# Altium PCB MiniPC.PcbDoc (part 17 of 23) (continued)
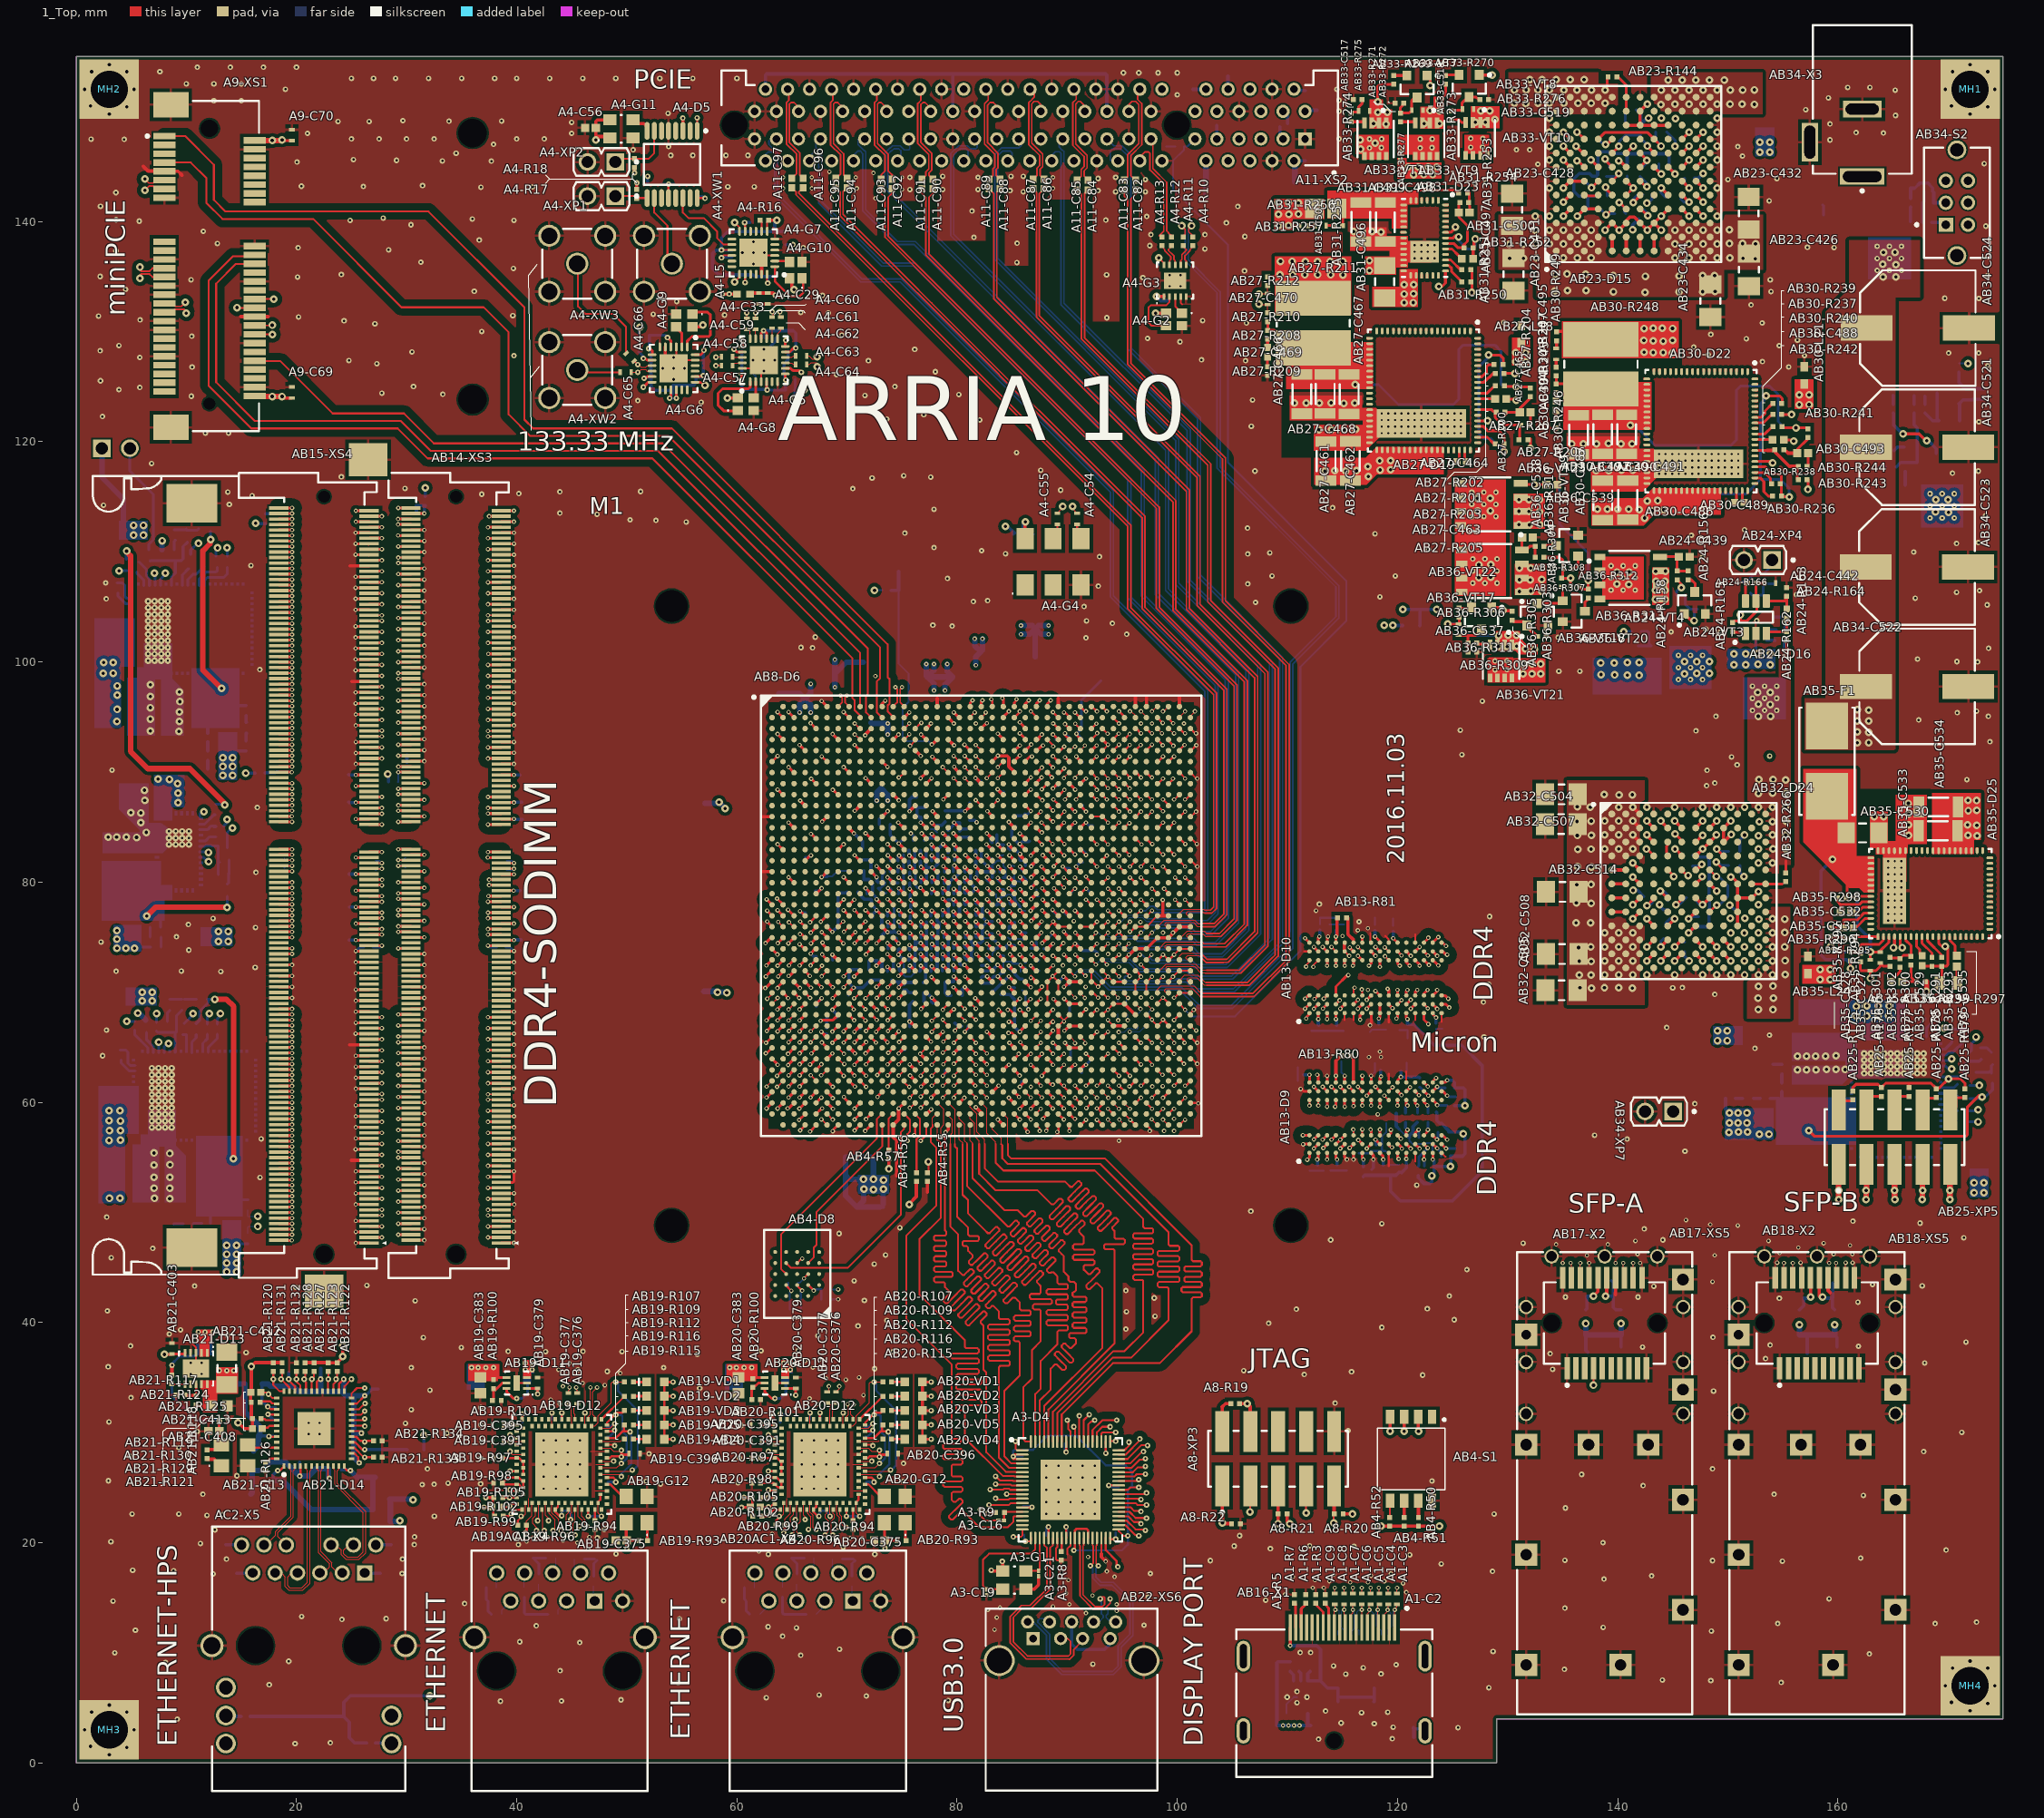
[diagram p0: 1_Top view]
## Nets (pads, with @x,y where several pads share a name; then routed paths per layer and width w, separated by ;. In a path a pad name is that pad's centre, name@x,y a point inside that pad or via, vN(x,y) a via of type N, cw(c..) or ccw(c..) an arc to the next point about the centre after c; other vN are vias at no path point) (continued)
  1_Top w0.2: AB19-D11.7@40,34.5 AB19-D11.2@40.925,34.5 ; AB20-D11.7@63.45,34.5 AB20-D11.2@64.375,34.5 ; AB4-D8.B3@65.475,43.4 65.475,43.325 65.9,42.9 v1(65.925,42.9) ; v1(83.1,96.6) 83.194,96.506 AB8-D6.A21@83.194,95.939 ; AB8-D6.B23@85.194,94.939 85.7,95.445 v1(85.7,95.5) ; v1(86.7,95.5) 87.194,95.006 AB8-D6.B25@87.194,94.939 ; v1(87.675,85.4) 88.136,84.939 AB8-D6.M26@88.194,84.939 ; v1(87.7,88.425) 88.194,88.919 AB8-D6.H26@88.194,88.939 ; AB8-D6.AM26@88.194,64.939 88.7,64.433 v1(88.7,64.4) ; AB8-D6.AF26@88.194,70.939 88.694,71.439 88.7,71.445 v1@88.692,71.453 ; AB8-D6.AE26@88.194,71.939 88.7,72.445 v1(88.72,72.425) ; AB8-D6.P26@88.194,82.939 88.194,82.931 v1(88.7,82.425) ; AB8-D6.N26@88.194,83.939 88.675,83.458 v1(88.675,83.45) ; AB8-D6.D26@88.194,92.939 88.725,92.408 v1(88.725,92.325) ; v1(88.7,91.425) 88.708,91.425 AB8-D6.F27@89.194,90.939 ; v1(88.7,95.433) AB8-D6.B27@89.194,94.939 ; v1(88.725,94.4) 89.186,93.939 AB8-D6.C27@89.194,93.939 ; v1(88.75,87.5) 89.194,87.056 AB8-D6.K27@89.194,86.939 ; v1(88.775,81.425) 89.194,81.844 AB8-D6.R27@89.194,81.939 ; v1(89.1,57.3) 89.194,57.394 AB8-D6.AW27@89.194,57.939 ; AB8-D6.E27@89.111,91.939 AB8-D6.E27@89.194,91.939 89.364,91.939 v1(89.725,92.3) ; AB8-D6.AT27@89.194,60.939 89.194,60.906 v1(89.7,60.4) ; AB8-D6.AR27@89.194,61.939 89.194,61.906 89.6,61.5 v1(89.7,61.5) 89.7,61.4 90.161,60.939 AB8-D6.AT28@90.194,60.939 ; AB8-D6.AP27@89.194,62.939 89.239,62.939 v1(89.7,63.4) ; AB8-D6.AN27@89.194,63.939 89.665,64.41 89.675,64.4 v1(89.7,64.4) ; AB8-D6.AJ27@89.194,67.939 v1@89.7,67.433 ; AB8-D6.AC27@89.194,73.939 89.194,73.994 v1(89.65,74.45) ; AB8-D6.U27@89.194,79.939 89.261,79.939 v1(89.7,79.5) ; AB8-D6.P27@89.194,82.939 89.708,82.425 v1(89.725,82.425) ; AB8-D6.N27@89.194,83.939 89.261,83.939 v1(89.75,83.45) ; AB8-D6.L27@89.194,85.939 89.289,85.939 v1(89.75,86.4) ; AB8-D6.J27@89.194,87.939 89.314,87.939 v1(89.75,88.375) ; AB8-D6.G27@89.194,89.939 89.339,89.939 v1(89.725,90.325) ; v1(89.7,95.4) 89.8,95.4 90.194,95.006 AB8-D6.B28@90.194,94.939 ; v1(89.8,94.35) 89.8,94.333 AB8-D6.C28@90.194,93.939 ; AB8-D6.AJ28@90.194,67.894 AB8-D6.AJ28@90.194,67.939 ; AB8-D6.AC28@90.194,73.939 90.239,73.939 v1(90.7,74.4) ; v1(90.7,60.4) 91.161,59.939 AB8-D6.AU29@91.194,59.939 ; v1(90.7,61.5) 90.7,61.433 AB8-D6.AT29@91.194,60.939 ; v1@90.7,95.4 91.161,94.939 AB8-D6.B29@91.194,94.939 ; v1(90.73,94.38) 90.73,94.37 91.161,93.939 AB8-D6.C29@91.194,93.939 ; AB8-D6.AW29@91.194,57.939 91.239,57.939 v1(91.7,58.4) ; AB8-D6.AJ29@91.194,67.939 v1(91.7,68.445) ; AB8-D6.A29@91.194,95.939 91.633,95.5 v1(91.7,95.5) ; v1(91.7,61.5) 91.755,61.5 AB8-D6.AR30@92.194,61.939 ; v1(91.7,64.41) 91.723,64.41 AB8-D6.AN30@92.194,63.939 ; v1(91.7,78.4) 91.733,78.4 AB8-D6.W30@92.194,77.939 ; v1(91.7,80.5) 91.7,80.433 AB8-D6.U30@92.194,79.939 ; v1(91.735,59.48) AB8-D6.AU30@92.194,59.939 ; AB8-D6.AL30@92.194,65.939 92.239,65.939 v1(92.7,66.4) ; AB8-D6.AJ30@92.194,67.939 92.655,68.4 v1(92.7,68.4) ; AB8-D6.AG30@92.194,69.939 92.361,69.939 v1(92.8,69.5) ; AB8-D6.AF30@92.194,70.939 92.361,70.939 v1(92.8,70.5) ; AB8-D6.AC30@92.194,73.939 92.239,73.939 v1(92.7,74.4) ; AB8-D6.AA30@92.194,75.939 92.239,75.939 v1(92.7,76.4) ; AB8-D6.R30@92.194,81.939 92.7,81.433 v1(92.7,81.4) ; AB8-D6.N30@92.194,83.939 92.7,83.433 v1(92.7,83.425) ; AB8-D6.J30@92.194,87.939 92.7,87.433 v1(92.7,87.5) ; AB8-D6.H30@92.194,88.939 92.226,88.939 92.68,88.485 v1(92.68,88.379) ; AB8-D6.G30@92.194,89.939 92.7,89.433 v1(92.7,89.4) ; AB8-D6.F30@92.194,90.939 92.655,91.4 v1(92.675,91.4) ; AB8-D6.D30@92.194,92.939 92.725,93.47 v1(92.725,93.525) ; AB8-D6.C30@92.194,93.939 92.63,94.375 v1(92.65,94.375) ; AB8-D6.A30@92.194,95.939 92.261,95.939 v1(92.7,95.5) ; v1(92.7,58.4) 92.733,58.4 AB8-D6.AW31@93.194,57.939 ; v1(92.7,61.5) 92.755,61.5 AB8-D6.AR31@93.194,61.939 ; v1(92.7,78.4) 92.733,78.4 AB8-D6.W31@93.194,77.939 ; AB8-D6.AV31@93.194,58.939 93.194,59.006 92.75,59.45 v1(92.69,59.45) 92.85,59.45 93.194,59.794 AB8-D6.AU31@93.194,59.939 ; AB8-D6.AN31@93.194,63.939 93.229,63.939 v1(93.7,64.41) ; AB8-D6.AL31@93.194,65.939 93.655,66.4 v1(93.7,66.4) ; AB8-D6.AJ31@93.194,67.939 v1@93.655,68.4 ; AB8-D6.AG31@93.194,69.939 93.633,69.5 v1(93.7,69.5) ; AB8-D6.AF31@93.194,70.939 93.655,71.4 v1(93.7,71.4) ; AB8-D6.AC31@93.194,73.939 93.239,73.939 v1(93.7,74.4) ; AB8-D6.AA31@93.194,75.939 93.655,76.4 v1(93.7,76.4) ; AB8-D6.U31@93.194,79.939 93.239,79.939 v1(93.7,80.4) ; AB8-D6.R31@93.194,81.939 93.194,81.994 v1(93.6,82.4) ; AB8-D6.N31@93.194,83.939 93.194,83.931 v1(93.7,83.425) ; AB8-D6.L31@93.194,85.939 93.7,85.433 v1(93.7,85.4) ; AB8-D6.J31@93.194,87.939 93.194,87.906 v1(93.6,87.5) ; AB8-D6.H31@93.194,88.939 93.286,88.939 v1(93.7,88.525) ; AB8-D6.G31@93.194,89.939 93.7,89.433 v1(93.7,89.4) ; AB8-D6.F31@93.194,90.939 93.655,91.4 v1(93.7,91.4) ; AB8-D6.E31@93.194,91.939 v1@93.7,92.445 ; AB8-D6.C31@93.194,93.939 93.658,93.475 v1(93.675,93.475) ; AB8-D6.A31@93.194,95.939 93.194,95.906 v1(93.6,95.5) ; v1(93.7,59.4) 94.161,58.939 AB8-D6.AV32@94.194,58.939 ; v1(93.7,61.5) 94.194,61.006 AB8-D6.AT32@94.194,60.939 ; v1(93.7,67.465) 93.7,67.433 AB8-D6.AK32@94.194,66.939 ; v1(93.7,77.4) 93.733,77.4 AB8-D6.Y32@94.194,76.939 ; v1(93.7,79.4) 93.733,79.4 AB8-D6.V32@94.194,78.939 ; v1(93.7,81.4) 93.733,81.4 AB8-D6.T32@94.194,80.939 ; AB8-D6.AP32@94.194,62.939 94.7,62.433 v1(94.7,62.4) ; AB8-D6.AM32@94.194,64.939 v1(94.733,64.4) ; AB8-D6.AD32@94.194,72.939 94.655,73.4 v1(94.7,73.4) ; AB8-D6.P32@94.194,82.939 94.194,82.906 v1(94.7,82.4) ; AB8-D6.M32@94.194,84.939 94.239,84.939 v1(94.7,85.4) ; AB8-D6.K32@94.194,86.939 94.7,86.433 v1(94.7,86.4) ; AB8-D6.J32@94.194,87.939 94.633,87.5 v1(94.7,87.5) ; AB8-D6.H32@94.194,88.939 94.194,88.931 94.68,88.445 94.7,88.466 94.705,88.461 v1(94.705,88.429) ; AB8-D6.G32@94.194,89.939 v1(94.7,89.433) ; AB8-D6.F32@94.194,90.939 94.239,90.939 v1(94.7,91.4) ; AB8-D6.E32@94.194,91.939 94.194,91.969 v1(94.7,92.475) ; AB8-D6.D32@94.194,92.939 94.194,92.994 v1(94.675,93.475) ; AB8-D6.B32@94.194,94.939 94.194,94.906 v1(94.7,94.4) ; v1(94.7,61.5) 95.194,61.006 AB8-D6.AT33@95.194,60.939 ; v1(94.7,65.4) 95.161,64.939 AB8-D6.AM33@95.194,64.939 ; v1@94.7,75.433 AB8-D6.AB33@95.194,74.939 ; v1(94.7,77.4) 95.161,76.939 AB8-D6.Y33@95.194,76.939 ; v1(94.7,79.4) 95.161,78.939 AB8-D6.V33@95.194,78.939 ; v1(94.7,81.4) 94.733,81.4 AB8-D6.T33@95.194,80.939 ; v1(94.7,95.5) 95.194,95.006 AB8-D6.B33@95.194,94.939 ; AB8-D6.AP33@95.194,62.939 95.7,62.433 v1(95.7,62.4) ; AB8-D6.P33@95.194,82.939 95.633,82.5 v1(95.633,82.467) ; AB8-D6.M33@95.194,84.939 95.6,85.345 v1(95.645,85.345) ; AB8-D6.K33@95.194,86.939 95.194,86.906 v1(95.7,86.4) ; AB8-D6.J33@95.194,87.939 95.633,87.5 v1(95.7,87.5) ; AB8-D6.H33@95.194,88.939 95.236,88.939 v1(95.675,88.5) ; AB8-D6.G33@95.194,89.939 95.261,89.939 95.7,89.5 v1(95.7,89.45) ; AB8-D6.F33@95.194,90.939 95.239,90.939 v1(95.7,91.4) ; AB8-D6.E33@95.194,91.939 95.675,92.42 v1(95.675,92.45) ; AB8-D6.D33@95.194,92.939 95.194,92.969 v1(95.675,93.45) ; v1(95.645,61.445) 95.7,61.445 AB8-D6.AR34@96.194,61.939 ; v1(95.7,75.5) 95.755,75.5 AB8-D6.AA34@96.194,75.939 ; v1(95.7,78.4) 96.161,77.939 AB8-D6.W34@96.194,77.939 ; v1(95.7,80.4) 95.733,80.4 AB8-D6.U34@96.194,79.939 ; v1(95.7,81.4) 96.194,81.894 AB8-D6.R34@96.194,81.939 ; v1(95.733,58.4) AB8-D6.AW34@96.194,57.939 ; AB8-D6.AU34@96.194,59.939 96.239,59.939 v1(96.7,60.4) ; AB8-D6.AN34@96.194,63.939 v1(96.7,63.433) ; AB8-D6.AL34@96.194,65.939 96.194,65.906 v1(96.7,65.4) ; AB8-D6.AE34@96.194,71.939 96.261,71.939 96.7,71.5 v1(96.7,71.4) ; AB8-D6.N34@96.194,83.939 96.236,83.939 v1(96.75,83.425) ; AB8-D6.L34@96.194,85.939 96.239,85.939 v1(96.7,86.4) ; AB8-D6.J34@96.194,87.939 96.261,87.939 v1(96.7,87.5) ; AB8-D6.G34@96.194,89.939 96.261,89.939 v1(96.7,89.5) ; AB8-D6.E34@96.194,91.939 96.194,91.969 v1(96.675,92.45) ; AB8-D6.C34@96.194,93.939 96.261,93.939 v1(96.7,93.5) ; v1(96.7,61.5) 96.7,61.445 AB8-D6.AR35@97.194,61.939 ; v1(96.7,72.5) 97.194,72.006 AB8-D6.AE35@97.194,71.939 ; v1(96.7,78.4) 96.733,78.4 AB8-D6.W35@97.194,77.939 ; v1(96.7,80.4) 96.733,80.4 AB8-D6.U35@97.194,79.939 ; v1(96.7,81.4) 97.194,81.894 AB8-D6.R35@97.194,81.939 ; AB8-D6.AW35@97.194,57.939 97.5,57.633 v1(97.5,57.4) ; AB8-D6.AU35@97.194,59.939 97.7,59.433 v1(97.7,59.4) ; AB8-D6.AN35@97.194,63.939 97.261,63.939 97.7,63.5 v1(97.7,63.4) ; AB8-D6.AL35@97.194,65.939 97.194,65.906 v1(97.7,65.4) ; AB8-D6.AJ35@97.194,67.939 97.261,67.939 v1(97.7,67.5) ; AB8-D6.AF35@97.194,70.939 97.239,70.939 v1(97.7,71.4) ; AB8-D6.N35@97.194,83.939 97.683,83.45 v1(97.725,83.45) ; AB8-D6.L35@97.194,85.939 97.239,85.939 v1(97.7,86.4) ; AB8-D6.J35@97.194,87.939 97.633,87.5 v1(97.7,87.5) ; AB8-D6.G35@97.194,89.939 97.633,89.5 v1(97.7,89.5) ; AB8-D6.E35@97.194,91.939 97.194,91.969 v1(97.7,92.475) ; AB8-D6.C35@97.194,93.939 97.633,93.5 v1(97.7,93.5) ; v1(97.7,60.4) 98.194,60.894 AB8-D6.AT36@98.194,60.939 ; v1(97.7,79.4) 97.733,79.4 AB8-D6.V36@98.194,78.939 ; v1(97.7,81.4) 97.733,81.4 AB8-D6.T36@98.194,80.939 ; AB8-D6.AP36@98.194,62.939 98.194,62.906 98.6,62.5 v1(98.65,62.5) ; AB8-D6.AM36@98.194,64.939 98.194,64.906 v1(98.67,64.43) ; AB8-D6.AF36@98.194,70.939 98.655,71.4 v1(98.7,71.4) ; AB8-D6.AD36@98.194,72.939 98.239,72.939 v1(98.7,73.4) ; AB8-D6.P36@98.194,82.939 98.7,82.433 v1(98.7,82.5) ; AB8-D6.M36@98.194,84.939 98.239,84.939 v1(98.7,85.4) ; AB8-D6.K36@98.194,86.939 98.7,86.433 v1(98.7,86.425) ; AB8-D6.H36@98.194,88.939 98.239,88.939 v1(98.7,89.4) ; AB8-D6.F36@98.194,90.939 98.239,90.939 v1(98.7,91.4) ; AB8-D6.D36@98.194,92.939 98.675,92.458 v1(98.675,92.425) ; AB8-D6.B36@98.194,94.939 98.194,94.931 v1(98.675,94.45) ; v1(98.7,60.4) 99.194,60.894 AB8-D6.AT37@99.194,60.939 ; v1(98.7,67.5) 99.194,67.006 AB8-D6.AK37@99.194,66.939 ; v1(98.7,69.5) 99.194,69.006 AB8-D6.AH37@99.194,68.939 ; v1(98.7,81.4) 99.161,80.939 AB8-D6.T37@99.194,80.939 ; v1(98.7,87.5) 99.194,87.006 AB8-D6.K37@99.194,86.939 ; v1(98.8,79.4) 99.194,79.006 AB8-D6.V37@99.194,78.939 ; AB8-D6.AP37@99.194,62.939 99.194,62.906 99.6,62.5 v1(99.7,62.5) ; AB8-D6.AM37@99.194,64.939 99.194,64.906 v1(99.7,64.4) ; AB8-D6.AF37@99.194,70.939 99.194,70.994 v1(99.6,71.4) ; AB8-D6.AD37@99.194,72.939 99.239,72.939 v1(99.7,73.4) ; AB8-D6.P37@99.194,82.939 99.261,82.939 v1(99.7,82.5) ; AB8-D6.M37@99.194,84.939 99.239,84.939 v1(99.7,85.4) ; AB8-D6.H37@99.194,88.939 99.6,89.345 v1(99.6,89.4) ; AB8-D6.F37@99.194,90.939 99.655,91.4 v1(99.7,91.4) ; AB8-D6.D37@99.194,92.939 99.194,92.831 v1(99.65,92.375) ; AB8-D6.B37@99.194,94.939 99.194,94.856 v1(99.625,94.425) ; v1(99.7,61.5) 100.139,61.939 AB8-D6.AR38@100.194,61.939 ; v1(99.7,67.465) 100.174,67.939 AB8-D6.AJ38@100.194,67.939 ; v1(99.7,69.5) 99.755,69.5 AB8-D6.AG38@100.194,69.939 ; v1(99.7,87.5) 99.755,87.5 AB8-D6.J38@100.194,87.939 ; v1(99.8,78.4) 100.194,78.006 AB8-D6.W38@100.194,77.939 ; v1(99.8,80.4) 100.194,80.006 AB8-D6.U38@100.194,79.939 ; AB8-D6.AU38@100.194,59.939 100.239,59.939 v1(100.7,60.4) ; AB8-D6.AN38@100.194,63.939 100.194,63.906 v1(100.6,63.5) ; AB8-D6.AL38@100.194,65.939 100.261,65.939 100.65,65.55 v1(100.65,65.4) ; AB8-D6.R38@100.194,81.939 100.194,81.906 v1(100.7,81.4) ; AB8-D6.N38@100.194,83.939 100.236,83.939 v1(100.725,83.45) ; AB8-D6.L38@100.194,85.939 100.239,85.939 v1(100.7,86.4) ; AB8-D6.G38@100.194,89.939 100.7,89.433 v1(100.7,89.4) ; AB8-D6.E38@100.194,91.939 100.194,91.994 v1(100.65,92.45) ; AB8-D6.C38@100.194,93.939 100.633,93.5 v1(100.7,93.5) ; v1(100.7,61.5) 100.755,61.5 AB8-D6.AR39@101.194,61.939 ; v1(100.7,78.4) 101.161,77.939 AB8-D6.W39@101.194,77.939 ; v1(100.7,80.4) 100.733,80.4 AB8-D6.U39@101.194,79.939 ; v1(100.7,87.5) 100.755,87.5 AB8-D6.J39@101.194,87.939 ; AB8-D6.AU39@101.194,59.939 101.861,59.939 v1(101.9,59.9) ; AB8-D6.AN39@101.194,63.939 101.361,63.939 v1(101.8,63.5) ; AB8-D6.AL39@101.194,65.939 101.734,65.4 v1(101.8,65.4) ; AB8-D6.AJ39@101.194,67.939 101.194,68.094 v1(101.5,68.4) ; AB8-D6.R39@101.194,81.939 101.261,81.939 v1(101.8,81.4) ; AB8-D6.N39@101.194,83.939 101.286,83.939 v1(101.775,83.45) ; AB8-D6.L39@101.194,85.939 101.239,85.939 v1(101.7,86.4) ; AB8-D6.G39@101.194,89.939 101.733,89.4 v1(101.8,89.4) ; AB8-D6.E39@101.194,91.939 101.239,91.939 v1(101.725,92.425) ; AB8-D6.C39@101.194,93.939 101.633,93.5 v1(101.7,93.5)
  1_Top w0.25: AB15-XS4.2@18.4,47.475 18.423,47.452 v1(19.576,47.452) ; AB15-XS4.6@18.4,48.475 v1(19.602,48.475) ; AB15-XS4.10@18.4,49.475 v1(19.602,49.475) ; AB15-XS4.14@18.4,50.475 v1(19.602,50.475) ; AB15-XS4.18@18.4,51.475 v1(19.602,51.475) ; AB15-XS4.22@18.4,52.475 v1(19.602,52.475) ; AB15-XS4.26@18.4,53.475 v1(19.602,53.475) ; AB15-XS4.30@18.4,54.475 v1(19.602,54.475) ; AB15-XS4.36@18.4,55.975 v1(19.602,55.975) ; AB15-XS4.40@18.4,56.975 v1(19.602,56.975) ; AB15-XS4.44@18.4,57.975 v1(19.602,57.975) ; AB15-XS4.48@18.4,58.975 v1(19.602,58.975) ; AB15-XS4.52@18.4,59.975 v1(19.602,59.975) ; AB15-XS4.56@18.4,60.975 v1(19.602,60.975) ; AB15-XS4.60@18.4,61.975 v1(19.602,61.975) ; AB15-XS4.64@18.4,62.975 v1(19.602,62.975) ; AB15-XS4.68@18.4,63.975 v1(19.602,63.975) ; AB15-XS4.72@18.4,64.975 v1(19.602,64.975) ; AB15-XS4.78@18.4,66.475 v1(19.602,66.475) ; AB15-XS4.82@18.4,67.475 v1(19.602,67.475) ; AB15-XS4.86@18.4,68.475 v1(19.602,68.475) ; AB15-XS4.90@18.4,69.475 v1(19.602,69.475) ; AB15-XS4.94@18.4,70.475 v1(19.602,70.475) ; AB15-XS4.98@18.4,71.475 v1(19.602,71.475) ; AB15-XS4.102@18.4,72.475 v1(19.602,72.475) ; AB15-XS4.106@18.4,73.475 v1(19.602,73.475) ; AB15-XS4.168@18.4,90.975 v1(19.602,90.975) ; AB15-XS4.172@18.4,91.975 v1(19.602,91.975) ; AB15-XS4.176@18.4,92.975 v1(19.602,92.975) ; AB15-XS4.180@18.4,93.975 v1(19.602,93.975) ; AB15-XS4.184@18.4,94.975 v1(19.602,94.975) ; AB15-XS4.188@18.4,95.975 v1(19.602,95.975) ; AB15-XS4.192@18.4,96.975 v1(19.602,96.975) ; AB15-XS4.196@18.4,97.975 v1(19.602,97.975) ; AB15-XS4.202@18.4,99.475 v1(19.602,99.475) ; AB15-XS4.206@18.4,100.475 v1(19.602,100.475) ; AB15-XS4.210@18.4,101.475 v1(19.602,101.475) ; AB15-XS4.214@18.4,102.475 v1(19.602,102.475) ; AB15-XS4.218@18.4,103.475 v1(19.602,103.475) ; AB15-XS4.222@18.4,104.475 v1(19.602,104.475) ; AB15-XS4.226@18.4,105.475 v1(19.602,105.475) ; AB15-XS4.230@18.4,106.475 v1(19.602,106.475) ; AB15-XS4.234@18.4,107.475 v1(19.602,107.475) ; AB15-XS4.238@18.4,108.475 v1(19.602,108.475) ; AB15-XS4.244@18.4,109.975 v1(19.602,109.975) ; AB15-XS4.248@18.4,110.975 v1(19.602,110.975) ; AB15-XS4.252@18.4,111.975 v1(19.602,111.975) ; v1(25.375,55.725) AB15-XS4.35@26.6,55.725 ; v1(25.375,96.225) AB15-XS4.189@26.6,96.225 ; v1(25.375,97.225) AB15-XS4.193@26.6,97.225 ; v1(25.375,100.225) AB15-XS4.205@26.6,100.225 ; v1(25.375,101.225) AB15-XS4.209@26.6,101.225 ; v1(25.375,102.225) AB15-XS4.213@26.6,102.225 ; v1(25.375,103.225) AB15-XS4.217@26.6,103.225 ; v1(25.375,104.725) AB15-XS4.223@26.6,104.725 ; v1(25.375,107.725) AB15-XS4.235@26.6,107.725 ; v1(25.375,110.725) 26.489,110.725 26.495,110.73 26.55,110.675 AB15-XS4.247@26.6,110.725 ; v1(25.375,111.725) AB15-XS4.251@26.6,111.725 ; v1(25.376,66.228) 26.547,66.228 26.575,66.2 AB15-XS4.77@26.6,66.225 ; v1(25.376,99.23) 26.545,99.23 26.575,99.2 AB15-XS4.201@26.6,99.225 ; v1(25.376,105.73) 26.545,105.73 26.575,105.7 AB15-XS4.227@26.6,105.725 ; v1(25.376,106.73) 26.545,106.73 26.575,106.7 AB15-XS4.231@26.6,106.725 ; v1(25.376,109.73) 26.545,109.73 26.575,109.7 AB15-XS4.243@26.6,109.725 ; v1(25.398,47.225) AB15-XS4.1@26.6,47.225 ; v1(25.398,48.225) AB15-XS4.5@26.6,48.225 ; v1(25.398,49.225) AB15-XS4.9@26.6,49.225 ; v1(25.398,50.725) AB15-XS4.15@26.6,50.725 ; v1(25.398,51.725) AB15-XS4.19@26.6,51.725 ; v1(25.398,52.725) AB15-XS4.23@26.6,52.725 ; v1(25.398,53.725) AB15-XS4.27@26.6,53.725 ; v1(25.398,56.725) AB15-XS4.39@26.6,56.725 ; v1(25.398,57.725) AB15-XS4.43@26.6,57.725 ; v1(25.398,58.725) AB15-XS4.47@26.6,58.725 ; v1(25.398,59.725) AB15-XS4.51@26.6,59.725 ; v1(25.398,61.225) AB15-XS4.57@26.6,61.225 ; v1(25.398,62.225) AB15-XS4.61@26.6,62.225 ; v1(25.398,63.225) AB15-XS4.65@26.6,63.225 ; v1(25.398,64.225) AB15-XS4.69@26.6,64.225 ; v1(25.398,67.225) AB15-XS4.81@26.6,67.225 ; v1(25.398,68.225) AB15-XS4.85@26.6,68.225 ; v1(25.398,69.225) AB15-XS4.89@26.6,69.225 ; v1(25.398,70.225) AB15-XS4.93@26.6,70.225 ; v1(25.398,71.725) AB15-XS4.99@26.6,71.725 ; v1(25.398,72.725) AB15-XS4.103@26.6,72.725 ; v1(25.398,73.725) AB15-XS4.107@26.6,73.725 ; v1(25.398,90.725) AB15-XS4.167@26.6,90.725 ; v1(25.398,91.725) AB15-XS4.171@26.6,91.725 ; v1(25.398,92.725) AB15-XS4.175@26.6,92.725 ; v1(25.398,94.225) AB15-XS4.181@26.6,94.225 ; v1(25.398,95.225) AB15-XS4.185@26.6,95.225 ; AB14-XS3.2@30.4,47.475 v1(31.602,47.475) ; AB14-XS3.6@30.4,48.475 v1(31.602,48.475) ; AB14-XS3.10@30.4,49.475 v1(31.602,49.475) ; AB14-XS3.14@30.4,50.475 v1(31.602,50.475) ; AB14-XS3.18@30.4,51.475 v1(31.602,51.475) ; AB14-XS3.22@30.4,52.475 v1(31.602,52.475) ; AB14-XS3.26@30.4,53.475 v1(31.602,53.475) ; AB14-XS3.30@30.4,54.475 v1(31.602,54.475) ; AB14-XS3.36@30.4,55.975 v1(31.602,55.975) ; AB14-XS3.40@30.4,56.975 v1(31.602,56.975) ; AB14-XS3.44@30.4,57.975 v1(31.602,57.975) ; AB14-XS3.48@30.4,58.975 v1(31.602,58.975) ; AB14-XS3.52@30.4,59.975 v1(31.602,59.975) ; AB14-XS3.56@30.4,60.975 v1(31.602,60.975) ; AB14-XS3.60@30.4,61.975 v1(31.602,61.975) ; AB14-XS3.64@30.4,62.975 v1(31.602,62.975) ; AB14-XS3.68@30.4,63.975 v1(31.602,63.975) ; AB14-XS3.72@30.4,64.975 v1(31.602,64.975) ; AB14-XS3.78@30.4,66.475 v1(31.602,66.475) ; AB14-XS3.82@30.4,67.475 v1(31.602,67.475) ; AB14-XS3.86@30.4,68.475 v1(31.602,68.475) ; AB14-XS3.90@30.4,69.475 v1(31.602,69.475) ; AB14-XS3.94@30.4,70.475 v1(31.602,70.475) ; AB14-XS3.98@30.4,71.475 v1(31.602,71.475) ; AB14-XS3.102@30.4,72.475 v1(31.602,72.475) ; AB14-XS3.106@30.4,73.475 v1(31.602,73.475) ; AB14-XS3.168@30.4,90.975 v1(31.602,90.975) ; AB14-XS3.172@30.4,91.975 v1(31.602,91.975) ; AB14-XS3.176@30.4,92.975 v1(31.602,92.975) ; AB14-XS3.180@30.4,93.975 v1(31.602,93.975) ; AB14-XS3.184@30.4,94.975 v1(31.602,94.975) ; AB14-XS3.188@30.4,95.975 v1(31.602,95.975) ; AB14-XS3.192@30.4,96.975 v1(31.602,96.975) ; AB14-XS3.196@30.4,97.975 v1(31.602,97.975) ; AB14-XS3.202@30.4,99.475 v1(31.602,99.475) ; AB14-XS3.206@30.4,100.475 v1(31.602,100.475) ; AB14-XS3.210@30.4,101.475 v1(31.602,101.475) ; AB14-XS3.214@30.4,102.475 v1(31.602,102.475) ; AB14-XS3.218@30.4,103.475 v1(31.602,103.475) ; AB14-XS3.222@30.4,104.475 v1(31.602,104.475) ; AB14-XS3.226@30.4,105.475 v1(31.602,105.475) ; AB14-XS3.230@30.4,106.475 v1(31.602,106.475) ; AB14-XS3.234@30.4,107.475 v1(31.602,107.475) ; AB14-XS3.238@30.4,108.475 v1(31.602,108.475) ; AB14-XS3.244@30.4,109.975 v1(31.602,109.975) ; AB14-XS3.248@30.4,110.975 v1(31.602,110.975) ; AB14-XS3.252@30.4,111.975 v1(31.602,111.975) ; AB14-XS3.1@38.6,47.225 v1(39.75,47.225) ; AB14-XS3.5@38.6,48.225 v1(39.75,48.225) ; AB14-XS3.9@38.6,49.225 v1(39.75,49.225) ; AB14-XS3.15@38.6,50.725 v1(39.775,50.725) ; AB14-XS3.19@38.6,51.725 v1(39.75,51.725) ; AB14-XS3.23@38.6,52.725 39.65,52.725 39.75,52.825 v1(39.75,53.725) AB14-XS3.27@38.6,53.725 ; AB14-XS3.31@38.6,54.725 v1(39.75,54.725) ; AB14-XS3.35@38.6,55.725 v1(39.75,55.725) ; AB14-XS3.39@38.6,56.725 v1(39.75,56.725) ; AB14-XS3.43@38.6,57.725 v1(39.75,57.725) ; AB14-XS3.47@38.6,58.725 v1(39.75,58.725) ; AB14-XS3.51@38.6,59.725 v1(39.75,59.725) ; AB14-XS3.57@38.6,61.225 v1(39.75,61.225) ; AB14-XS3.61@38.6,62.225 v1(39.75,62.225) ; AB14-XS3.65@38.6,63.225 v1(39.75,63.225) ; AB14-XS3.69@38.6,64.225 v1(39.75,64.225) ; AB14-XS3.73@38.6,65.225 v1(39.75,65.225) ; AB14-XS3.77@38.6,66.225 v1(39.75,66.225) ; AB14-XS3.81@38.6,67.225 v1(39.75,67.225) ; AB14-XS3.85@38.6,68.225 v1(39.75,68.225) ; AB14-XS3.89@38.6,69.225 v1(39.75,69.225) ; AB14-XS3.93@38.6,70.225 v1(39.75,70.225) ; AB14-XS3.99@38.6,71.725 v1(39.75,71.725) ; AB14-XS3.103@38.6,72.725 v1(39.75,72.725) ; AB14-XS3.107@38.6,73.725 v1(39.75,73.725) ; AB14-XS3.167@38.6,90.725 v1(39.75,90.725) ; AB14-XS3.171@38.6,91.725 38.62,91.745 39.745,91.745 v1(39.75,91.75) ; AB14-XS3.175@38.6,92.725 v1(39.75,92.725) ; AB14-XS3.181@38.6,94.225 v1(39.75,94.225) ; AB14-XS3.185@38.6,95.225 v1(39.75,95.225) ; AB14-XS3.189@38.6,96.225 v1(39.75,96.225) ; AB14-XS3.193@38.6,97.225 v1(39.75,97.225) ; AB14-XS3.197@38.6,98.225 v1(39.75,98.225) ; AB14-XS3.201@38.6,99.225 v1(39.75,99.225) ; AB14-XS3.205@38.6,100.225 v1(39.75,100.225) ; AB14-XS3.209@38.6,101.225 v1(39.75,101.225) ; AB14-XS3.213@38.6,102.225 v1(39.75,102.225) ; AB14-XS3.217@38.6,103.225 v1(39.75,103.225) ; AB14-XS3.223@38.6,104.725 v1(39.75,104.725) ; AB14-XS3.227@38.6,105.725 v1(39.75,105.725) ; AB14-XS3.231@38.6,106.725 v1(39.75,106.725) ; AB14-XS3.235@38.6,107.725 v1(39.75,107.725) ; AB14-XS3.239@38.6,108.725 v1(39.75,108.725) ; AB14-XS3.243@38.6,109.725 v1(39.75,109.725) ; AB14-XS3.247@38.6,110.725 v1(39.75,110.725) ; AB14-XS3.251@38.6,111.725 v1(39.75,111.725) ; v1(62.575,70.375) 62.6,70.375 63.164,70.939 AB8-D6.AF1@63.194,70.939 ; v1(62.65,65.4) 62.655,65.4 AB8-D6.AL1@63.194,65.939 ; v1(62.694,60.439) AB8-D6.AT1@63.194,60.939 ; v1(62.75,76.425) 62.75,76.383 AB8-D6.AA1@63.194,75.939 ; AB8-D6.F1@63.194,90.939 v1(63.694,91.439) ; v1(63.65,62.395) AB8-D6.AP2@64.194,62.939 ; v1(63.65,78.5) 64.194,77.956 AB8-D6.W2@64.194,77.939 ; v1(63.694,67.439) AB8-D6.AJ2@64.194,67.939 ; v1(63.694,83.439) AB8-D6.P2@64.194,82.939 ; v1(63.694,93.439) AB8-D6.D2@64.194,92.939 ; v1(63.694,95.439) AB8-D6.B2@64.194,94.939 ; v1(63.7,72.4) 64.194,72.894 AB8-D6.AD2@64.194,72.939 ; v1(63.7,88.4) 64.161,87.939 AB8-D6.J2@64.194,87.939 ; v1(64.6,59.45) 64.705,59.45 AB8-D6.AU3@65.194,59.939 ; v1(64.65,64.4) 64.655,64.4 AB8-D6.AM3@65.194,64.939 ; v1(64.675,74.425) 64.68,74.425 AB8-D6.AB3@65.194,74.939 ; v1(64.694,90.439) AB8-D6.G3@65.194,89.939 ; v1(64.694,95.439) AB8-D6.B3@65.194,94.939 ; v1(64.7,80.433) AB8-D6.U3@65.194,79.939 ; v1(64.7,85.4) 65.161,84.939 AB8-D6.M3@65.194,84.939 ; AB8-D6.AG3@65.194,69.939 v1(65.658,69.475) ; v1(65.694,61.439) AB8-D6.AR4@66.194,61.939 ; v1(65.694,66.439) AB8-D6.AK4@66.194,66.939 ; v1(65.694,92.439) AB8-D6.E4@66.194,91.939 ; AB8-D6.AE4@66.194,71.939 66.194,71.906 v1(66.625,71.475) ; v1(66.65,63.425) 66.68,63.425 AB8-D6.AN5@67.194,63.939 ; v1(66.694,94.439) AB8-D6.C5@67.194,93.939 ; v1(66.729,84.375) 66.758,84.375 AB8-D6.N5@67.194,83.939 ; v1(66.75,89.375) AB8-D6.H5@67.194,88.931 ; AB8-D6.AV5@67.194,58.939 67.705,59.45 v1(67.75,59.45) ; AB8-D6.H5@67.194,88.819 AB8-D6.H5@67.194,88.931 ; AB8-D6.H5@67.194,88.939 AB8-D6.H5@67.194,88.931 ; v1(67.6,67.4) 67.6,67.466 67.592,67.474 68.729,67.474 AB8-D6.AJ7@69.194,67.939 ; v1(67.694,96.439) AB8-D6.A6@68.194,95.939 ; v1(67.7,91.4) 67.733,91.4 AB8-D6.F6@68.194,90.939 ; AB8-D6.AT6@68.194,60.939 68.7,60.433 v1(68.7,60.375) ; AB8-D6.AF6@68.194,70.939 68.683,70.45 v1(68.7,70.45) ; v1(68.694,93.439) AB8-D6.D7@69.194,92.939 ; v1(68.7,57.375) 68.7,57.445 AB8-D6.AW7@69.194,57.939 ; v1(68.7,88.375) 68.729,88.375 69.164,87.939 AB8-D6.J7@69.194,87.939 ; AB8-D6.AP7@69.194,62.939 69.7,62.433 v1(69.7,62.4) ; AB8-D6.W7@69.194,77.939 69.225,77.939 v1(69.7,78.414) ; AB8-D6.P7@69.194,82.939 v1(69.694,83.439) ; v1(69.694,80.439) AB8-D6.U8@70.194,79.939 ; v1(69.694,95.439) AB8-D6.B8@70.194,94.939 ; v1(69.725,60.475) 69.725,60.408 AB8-D6.AU8@70.194,59.939 ; AB8-D6.AB8@70.194,74.939 70.239,74.939 v1(70.75,75.45) ; v1(70.65,71.425) 70.68,71.425 AB8-D6.AE9@71.194,71.939 ; v1(70.675,77.45) 70.683,77.45 AB8-D6.Y9@71.194,76.939 ; v1(70.694,82.439) AB8-D6.R9@71.194,81.939 ; v1(70.694,92.439) AB8-D6.E9@71.194,91.939 ; AB8-D6.AR9@71.194,61.939 AB8-D6.AR9@71.194,61.939 v1(71.729,61.403) ; v1(71.69,84.429) 71.704,84.429 AB8-D6.N10@72.194,83.939 ; v1(71.694,79.439) AB8-D6.V10@72.194,78.939 ; v1(71.694,89.439) AB8-D6.H10@72.194,88.939 ; v1(71.725,58.47) AB8-D6.AV10@72.194,58.939 ; v1(71.725,63.448) 71.725,63.47 AB8-D6.AN10@72.194,63.939 ; v1(71.725,73.425) 71.725,73.47 AB8-D6.AC10@72.194,73.939 ; v1(72.679,70.478) 72.726,70.478 72.73,70.475 AB8-D6.AF11@73.194,70.939 ; v1(72.694,81.439) AB8-D6.T11@73.194,80.939 ; v1(72.775,60.475) 72.775,60.52 AB8-D6.AT11@73.194,60.939 ; AB8-D6.F11@73.194,90.939 73.675,90.458 v1(73.675,90.45) ; v1(73.694,62.439) AB8-D6.AP12@74.194,62.939 ; v1(73.694,78.439) AB8-D6.W12@74.194,77.939 ; v1(73.694,83.439) AB8-D6.P12@74.194,82.939 ; v1(73.7,67.45) 73.705,67.45 AB8-D6.AJ12@74.194,67.939 ; AB8-D6.D12@74.194,92.939 74.214,92.939 v1(74.675,93.4) ; v1(74.65,85.4) 75.111,84.939 AB8-D6.M13@75.194,84.939 ; v1(74.694,59.439) AB8-D6.AU13@75.194,59.939 ; v1(74.7,80.4) 74.733,80.4 AB8-D6.U13@75.194,79.939 ; v1(74.704,69.453) 74.708,69.453 AB8-D6.AG13@75.194,69.939 ; v1(76.73,68.475) AB8-D6.AH15@77.194,68.939 ; AB8-D6.H15@77.194,88.939 77.194,88.944 v1(77.675,89.425) ; v1(78.75,87.5) 78.755,87.5 AB8-D6.J17@79.194,87.939 ; v1(80.675,92.479) 80.675,92.458 AB8-D6.E19@81.194,91.939 ; AB8-D6.C20@82.194,93.939 82.194,93.969 82.65,94.425 v1(82.7,94.425) ; AB8-D6.F21@83.194,90.939 v1@83.7,91.445 ; v1(83.7,93.475) 84.194,92.981 AB8-D6.D22@84.194,92.939 ; v1(111.2,61.2) 111.3,61.2 111.4,61.1 111.5,61 AB13-D9.A8@112,61 ; v1(111.425,56.175) 111.45,56.2 AB13-D9.A2@112,56.2 ; v1(111.6,68.5) AB13-D10.A2@112,68.9 ; v1(112.4,55.8) AB13-D9.B2@112.8,56.2 ; v1(112.4,68.489) 112.4,68.5 AB13-D10.B2@112.8,68.9 ; AB13-D9.C9@113.6,61.8 v1(113.6,62.4) ; AB13-D10.C9@113.6,74.5 113.6,75 113.65,75.05 v1(113.675,75.05) ; v1(114,61.4) AB13-D9.D8@114.4,61 ; AB13-D9.D2@114.4,56.2 AB13-D9.E3@115.2,57 ; AB13-D10.D2@114.4,68.9 114.739,69.239 v1(114.739,69.261) ; v1(114.8,61.4) AB13-D9.E8@115.2,61 ; AB13-D9.E1@115.2,55.4 115.2,55 v1(115.4,54.8) ; AB13-D9.E9@115.2,61.8 v1(115.2,62.4) ; v1(116,54.8) 116,54.73 115.997,54.728 116,54.725 AB13-D9.F1@116,55.4 ; v1(116.4,61.4) AB13-D9.G8@116.8,61 ; v1(117.5,67) v1@117.5,67.035 ; v1@117.514,67.085 117.5,67.071 v1@117.5,67.035 ; AB13-D9.H1@117.6,55.4 117.8,55.2 v1(117.8,54.8) ; AB13-D9.H9@117.6,61.8 v1(117.6,62.4) ; AB13-D10.H1@117.6,68.1 117.6,67.135 v1@117.5,67.035 ; v2(136.21,146.82) 136.825,146.205 AB23-D15.C8@136.955,146.205 ; v2(136.31,145.52) 136.37,145.52 AB23-D15.C7@136.955,144.935 ; v2(136.31,148.12) AB23-D15.C9@136.955,147.475 ; v2(142.59,82.995) 142.69,82.995 143.265,82.42 AB32-D24.D4@143.265,82.37 ; v2(145.215,84.37) 145.805,83.78 AB32-D24.C6@145.805,83.64